# Altium PCB GrunMasterBox.PcbDoc (part 3 of 3)
Units mil, origin at the board's own origin, x right, y up, seen from the top; angles counter-clockwise.
Board outline 5866.14 x 2850.39 mil, 4 copper layers (Component Side, Ground Plane, Power Plane, Solder Side), stack 67.604 mil thick; 165 components, 119 nets, 595 pads, 2267 vias.
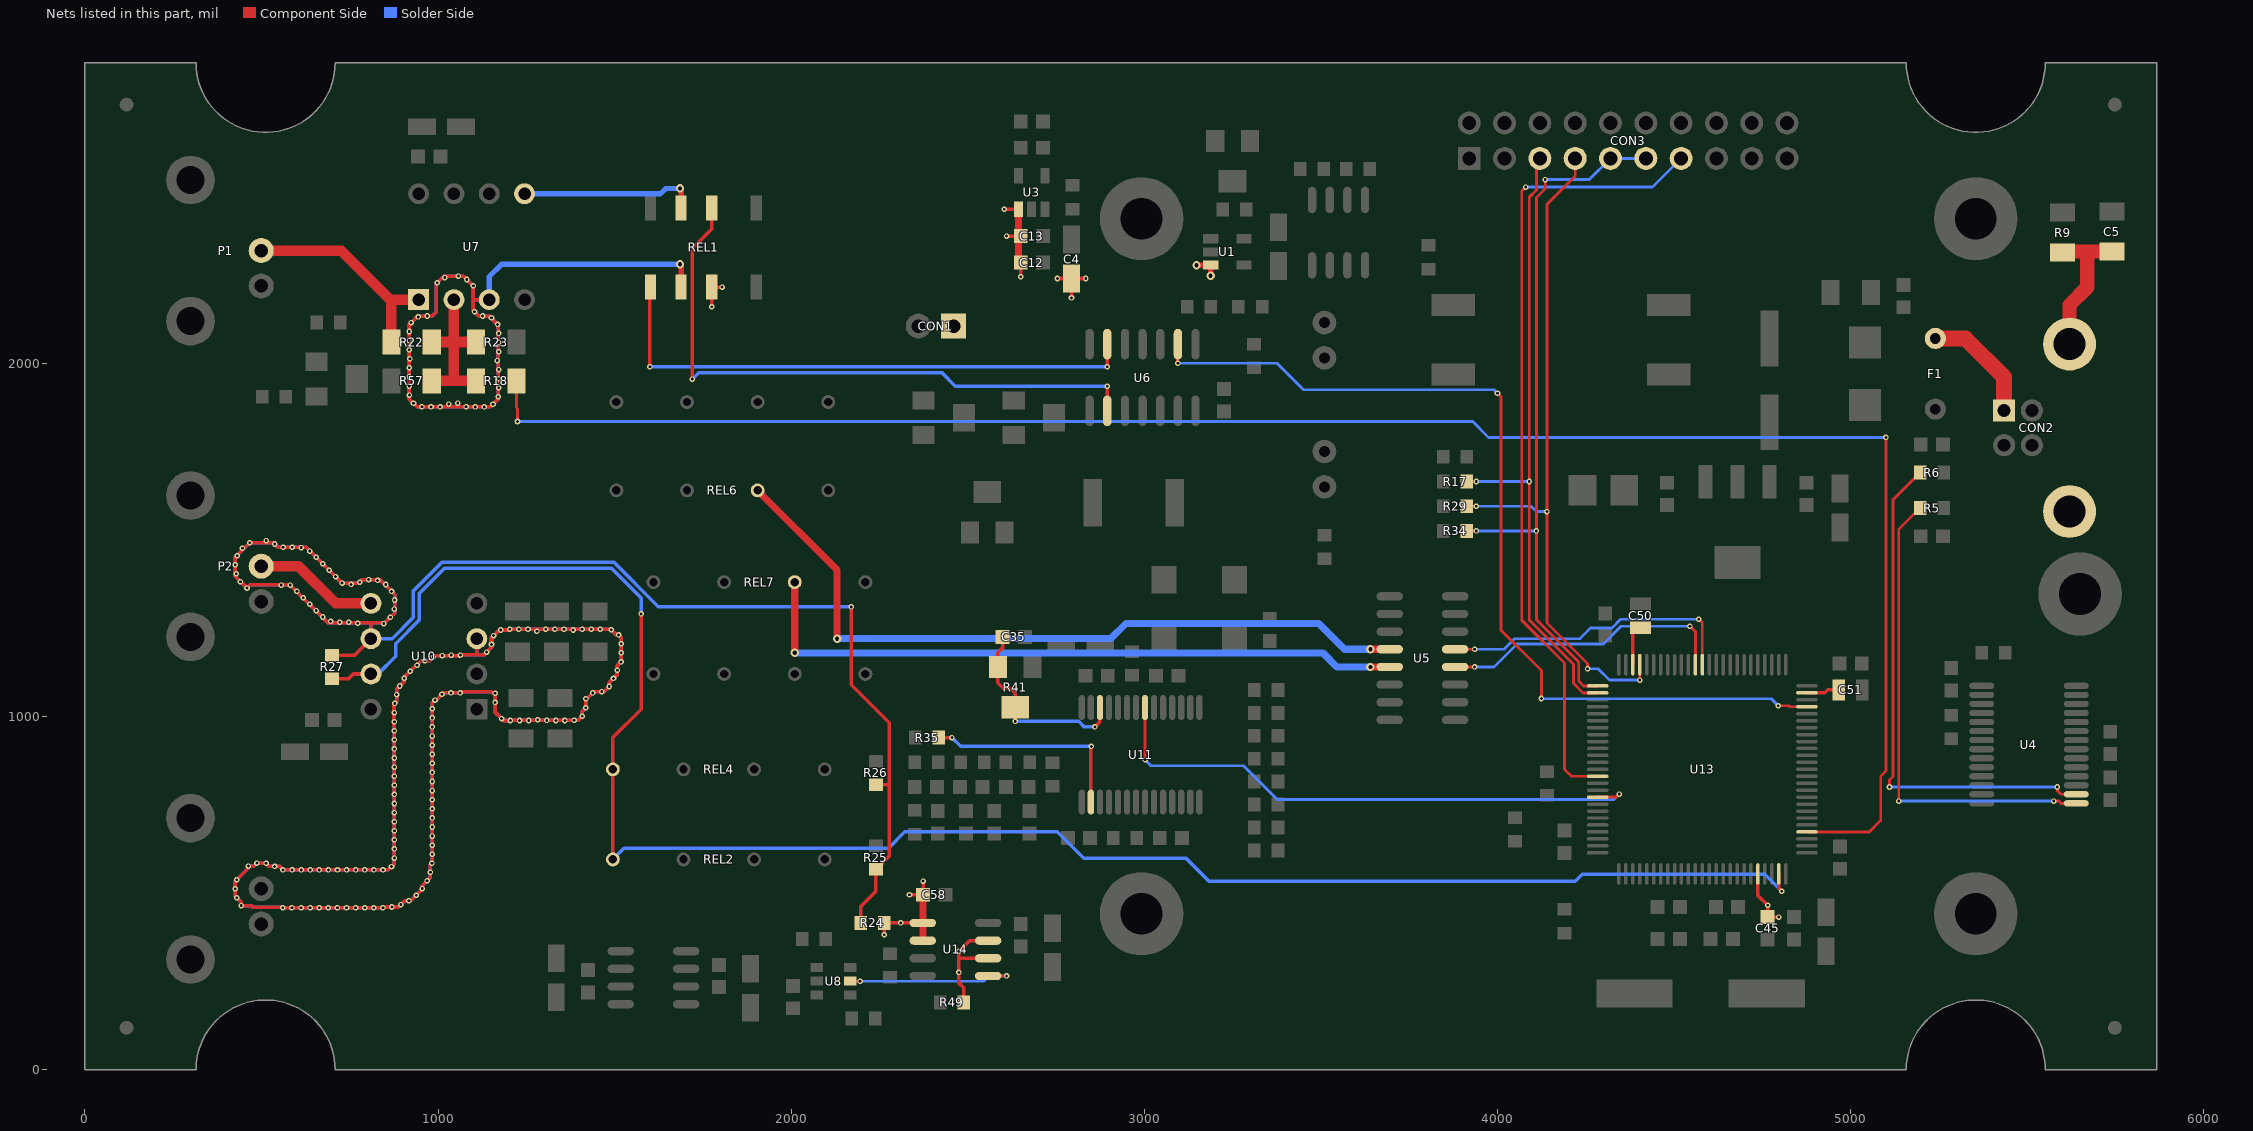
[diagram p5: the nets of this part, all layers, seen from the top]

## Via types
v1: diameter 15.75, hole 7.87, Component Side to Solder Side, 1956 vias
v2: diameter 15.75, hole 7.87, Component Side to Solder Side, tented both sides, 266 vias
v3: diameter 23.62, hole 11.81, Component Side to Solder Side, tented both sides, 45 vias

## Nets (pads, with @x,y where several pads share a name; then routed paths per layer and width w, separated by ;. In a path a pad name is that pad's centre, name@x,y a point inside that pad or via, vN(x,y) a via of type N, cw(c..) or ccw(c..) an arc to the next point about the centre after c; other vN are vias at no path point) (continued)
NetREL1_2: REL1.2 U6.9 | length 1776
  Component Side w10: v2(1720,1955) 1720,2325 1775,2380 REL1.2@1775,2440 ; U6.9@2895,1865 v2(2895,1935)
  Solder Side w10: v2(1720,1955) 1738,1973 2427,1973 2465,1935 v2(2895,1935)
NetREL1_3: REL1.3 U7.5 | length 502.6
  Component Side w15: v3(1685,2495) 1688.39,2491.61 REL1.3@1688.39,2440
  Solder Side w15: U7.5@1245,2480 1630,2480 1645,2495 v3(1685,2495)
NetREL1_5: REL1.5 U6.6 | length 1585.3
  Component Side w10: v2(1600,1990) 1600,2213.82 REL1.5@1601.77,2215.59 ; v2(2895,1990) U6.6@2895,2053.98
  Solder Side w10: v2(1600,1990) v2(2895,1990)
NetU8_5: U8.5 U14.5 | length 501.4
  Component Side w8: U8.5@2167.24,250 v2(2195,250) ; U14.5@2557.52,265 v2(2610,265)
  Solder Side w8: v2(2195,250) 2545,250 2560,265 v2(2610,265)
OCP: R18.1 U13.29 | length 5323.1
  Component Side w8: R18.1@1222.09,1950 1222.09,1872.91 1225,1870 v2(1225,1835) ; U13.29@4876.26,672.83 5052.83,672.83 5085,705 5085,830 5100,845 v2(5100,1790)
  Solder Side w8: v2(1225,1835) 3930,1835 3975,1790 v2(5100,1790)
RE: P2.1 U10.5 | length 354.4
  Component Side w30: P2.1@499.21,1425.2 604.8,1425.2 710,1320 U10.5@810,1320
RE_RING: R24.2 R25.1 R26.1 R27.1 U10.6 | length 5110.1
  Component Side w10: R27.1@700,1173.46 763.46,1173.46 U10.6@810,1220 810,1265 ; v1(846.2,1262.78) 847.36,1262.78 v1@849.59,1265 ; v2(2170,1310) 2170,1090 2278,982 2278,805 ; R24.2@2196.54,415 2196.54,461.54 2240,505 R25.1@2240,566.54 2278,604.54 2278,805 ; R26.1@2240,806.54 2276.46,806.54 2278,805 ; 810,1265 688.34,1265 v1(581.64,1371.7) 580.71,1372.63 468.28,1372.63 v1(459.04,1363.39) 425.6,1396.83 v1(425.6,1429.58) 425.6,1450.36 v1(466.62,1491.38) 534.17,1491.38 v1(537.4,1488.15) 546.86,1478.69 v1(561.35,1478.69) v1(587.1,1478.69) 626.96,1478.69 v1(691.77,1413.88) v1(709.98,1395.68) v1(728.18,1377.47) 776.05,1377.47 v1(778.54,1379.96) 786,1387.42 v1(803.19,1387.42) 835,1387.42 v1(868.59,1353.83) 877.06,1345.36 v1(877.06,1329.51) 877.06,1292.47 v1(864.98,1280.39) v1@849.59,1265 ; 810,1265 v1@849.59,1265
  Solder Side w10: v1@534.17,1491.38 v1(466.62,1491.38) 425.6,1450.36 v1(425.6,1429.58) 425.6,1396.83 v1(459.04,1363.39) 468.28,1372.63 v1@580.71,1372.63 ; v1(537.4,1488.15) 546.86,1478.69 v1(561.35,1478.69) v1(587.1,1478.69) 626.96,1478.69 v1(691.77,1413.88) v1(709.98,1395.68) v1(728.18,1377.47) v1@776.05,1377.47 ; v1(581.64,1371.7) 688.34,1265 810,1265 ; v1(778.54,1379.96) 786,1387.42 v1(803.19,1387.42) 835,1387.42 v1(868.59,1353.83) 877.06,1345.36 v1(877.06,1329.51) 877.06,1292.47 v1(864.98,1280.39) 849.59,1265 810,1265 ; v2(2170,1310) 1624.04,1310 1497.04,1437 1012,1437 930,1355 930,1280 870,1220 U10.6@810,1220 810,1265
  other v1: 772.71,1263.4 721.4,1266.51 747.15,1266.51 695.75,1268.72 673.28,1281.29 654.96,1299.38 875.7,1303.8 636.76,1317.59 618.55,1335.8 600.34,1354 555.89,1371.7 753.62,1373.49 851.77,1373.32 440.29,1381.03 828.82,1385 428.68,1404.02 673.56,1432.09 655.36,1450.3 431.69,1454.6 636.6,1467.94 445.95,1476.04 612.83,1477.84 513.45,1497.59
RE_SW_4K7: U5.4 U13.64 | length 827.7
  Component Side w8: U5.4@3880,1140 v2(3935,1140) ; v2(4545,1255) 4560.31,1239.69 U13.64@4560.31,1146.26
  Solder Side w8: v2(3935,1140) 3990,1140 4055,1205 4300,1205 4350,1255 v2(4545,1255)
RE_SW_4K7': REL7.2 U5.13 | length 1901.5
  Component Side w20: v3(2010,1180) REL7.2@2010,1380 ; v3(3640,1140) U5.13@3694.96,1140
  Solder Side w20: v3(2010,1180) 3505,1180 3545,1140 v3(3640,1140)
RE_SW_100: U5.5 U13.63 | length 858.1
  Component Side w8: U5.5@3880,1190 v2(3935,1190) ; v2(4570,1275) 4580,1265 U13.63@4580,1146.26
  Solder Side w8: v2(3935,1190) 4018.79,1190 4048.79,1220 4233.31,1220 4263.31,1250 4323.79,1250 4348.79,1275 v2(4570,1275)
RE_SW_100': REL6.2 U5.12 | length 2126.2
  Component Side w20: REL6.2@1905,1640 2130,1415 v3(2130,1220) ; v3(3640,1190) U5.12@3694.96,1190
  Solder Side w20: v3(2130,1220) 2905,1220 2948,1263 3493.82,1263 3566.82,1190 v3(3640,1190)
RSET: C35.2 R41.1 R41.2 U11.12 | length 570.1
  Component Side w10: C35.2@2598.5,1225 2598.5,1193.5 2585,1180 R41.1@2585,1140 2585,1095 2600,1080 2620,1080 2634.21,1065.79 R41.2@2634.21,1025.83 v2(2634.21,985.79) ; v2(2860,970) 2874.09,984.09 U11.12@2874.09,1025
  Solder Side w10: v2(2634.21,985.79) 2814.21,985.79 2830,970 v2(2860,970)
SCK: U6.2 U13.47 | length 2671.7
  Component Side w8: v2(4000,1915) 4010,1905 4010,1243.79 4124.39,1129.39 v2(4124.39,1050.61) ; v2(4795,1030) 4825,1030 4827.83,1027.17 U13.47@4876.26,1027.17
  Component Side w10: v2(3095,2000) U6.2@3095,2053.98
  Solder Side w8: v2(3095,2000) 3375.72,2000 3450.72,1925 3990,1925 v2(4000,1915) ; v2(4124.39,1050.61) 4125,1050 4775,1050 v2(4795,1030)
SH: C5.1 CON2.5 CON2.6 R9.2 | length 423.7
  Component Side w40: R9.2@5600,2312.91 5602.91,2315.83 5670,2315.83 ; CON2.5@5620,2054.02 5620,2165 5670,2215 5670,2315.83 ; C5.1@5740,2315.83 5670,2315.83
SUM: R18.2 R22.1 R23.2 R57.1 U7.2 | length 481.7
  Component Side w30: R57.1@982.09,1950 1045,1950 ; R22.1@982.09,2060 1045,2060 ; U7.2@1045,2180 1045,2060 ; R18.2@1107.91,1950 1045,1950 ; R23.2@1107.91,2060 1045,2060 ; 1045,1950 1045,2060
SUM_RING: REL1.6 U7.3 | length 3043.9
  Component Side w10: v1(969.38,2133.63) 942.42,2133.63 v1(923.74,2114.96) 918.93,2110.15 v1(918.93,1909.73) 918.93,1898.35 v1(930.54,1886.74) 940.62,1876.66 v1(954.24,1876.66) 1148.47,1876.66 v1(1155.56,1883.75) 1170.42,1898.61 v1(1170.42,1904.78) 1170.42,2107.93 v1(1168.55,2109.8) 1144.72,2133.63 v1(1126.07,2133.63) 1115.56,2133.63 v1(1103.38,2145.81) 1100.24,2148.96 1100.24,2180 ; v1@970,2135 985,2135 995,2145 995,2225.68 v1(997.45,2228.13) 1015.96,2246.64 v1(1057.69,2246.64) 1071.94,2246.64 v1(1081.57,2237.01) 1100.24,2218.34 1100.24,2180 ; U7.3@1145,2180 1100.24,2180
  Component Side w15: v3(1685,2280) 1688.39,2276.61 REL1.6@1688.39,2215.59
  Solder Side w10: v1(969.38,2133.63) 942.42,2133.63 v1(923.74,2114.96) 918.93,2110.15 v1(918.93,1909.73) 918.93,1898.35 v1(930.54,1886.74) 940.62,1876.66 v1(954.24,1876.66) 1148.47,1876.66 v1(1155.56,1883.75) v1@1170.42,1898.61 ; v1@970,2135 985,2135 995,2145 v1@995,2225.68 ; v1(997.45,2228.13) 1015.96,2246.64 v1(1057.69,2246.64) 1071.94,2246.64 v1(1081.57,2237.01) 1100.24,2218.34 1100.24,2180 ; v1@1100.24,2148.96 1100.24,2180 ; v1(1103.38,2145.81) 1115.56,2133.63 v1(1126.07,2133.63) 1144.72,2133.63 v1(1168.55,2109.8) ; U7.3@1145,2180 1100.24,2180 ; v1(1170.42,1904.78) v1@1170.42,2107.93
  Solder Side w15: U7.3@1145,2180 1145,2245 1180,2280 v3(1685,2280)
  other v1: 979.98,1876.37 1005.73,1876.37 1079.4,1876.75 1105.14,1876.37 1130.89,1876.37 1030.27,1884.16 1055.84,1887.15 1171.7,1930.5 918.3,1935.47 1171.7,1956.24 918.3,1961.21 1171.7,1981.99 918.5,1986.96 1167.38,2007.37 920.44,2012.63 1171.7,2032.76 918.3,2038.29 1171.7,2058.5 918.3,2064.04 1171.7,2084.25 918.3,2089.79 1151.4,2129.01 943.75,2131.15 1100.24,2219.27 1018.84,2242.47
TCK: CON3.9 CON3.11 R34.1 U13.76 | length 2045.9
  Component Side w8: R34.1@3913.46,1525 v2(3940,1525) ; v2(4135,2520) 4135,2493.79 4110,2468.79 v2(4110,1525) 4110,1273.64 4230,1153.64 4230,1100 4243.78,1086.22 U13.76@4283.74,1086.22
  Solder Side w8: v2(3940,1525) v2(4110,1525) ; v2(4135,2520) 4260,2520 CON3.9@4320,2580 CON3.11@4420,2580
TDI: CON3.5 R17.1 U13.77 | length 1807
  Component Side w8: R17.1@3913.46,1665 v2(3940,1665) ; CON3.5@4120,2580 4110,2570 4110,2490 4090,2470 v2(4090,1665) 4090,1272.43 4215,1147.43 4215,1093.79 4242.25,1066.54 U13.77@4283.74,1066.54
  Solder Side w8: v2(3940,1665) v2(4090,1665)
TDO: CON3.13 U13.89 | length 2279.1
  Component Side w8: v2(4080,2498.79) 4068.87,2487.66 4068.87,1272.34 4190,1151.21 4190,850 4209.68,830.31 U13.89@4283.74,830.31
  Solder Side w8: v2(4080,2498.79) 4438.79,2498.79 CON3.13@4520,2580
TMS: CON3.7 R29.1 U13.72 | length 1963.1
  Component Side w8: R29.1@3913.46,1595 v2(3940,1595) ; CON3.7@4220,2580 4220,2530 4140,2450 v2(4140,1580) 4140,1264.85 4255,1149.85 v2(4255,1135) ; v2(4402.83,1102.83) U13.72@4402.83,1146.26
  Solder Side w8: v2(3940,1595) 4095,1595 4110,1580 v2(4140,1580) ; v2(4255,1135) 4285,1135 4317.17,1102.83 v2(4402.83,1102.83)
UOUT: R27.2 REL2.1 REL4.1 U10.7 U13.24 | length 5358.9
  Component Side w10: R27.2@700,1106.54 746.54,1106.54 760,1120 U10.7@810,1120 ; REL2.1@1495,595 REL4.1@1495,850 1495,940 1575,1020 v2(1575,1290) ; U13.24@4796.54,553.74 4796.54,513.46 v2(4805,505)
  Solder Side w10: U10.7@810,1120 830,1120 880,1170 880,1205.96 947,1272.96 947,1347.96 1019.04,1420 1490,1420 1575,1335 v2(1575,1290) ; REL2.1@1495,595 1526.69,626.69 2275.73,626.69 2322.04,673 2752.96,673 2827.96,598 3117.96,598 3182.96,533 4220,533 4240,553 4757,553 v2(4805,505)
USBD_N: R6.1 U4.16 | length 1469.2
  Component Side w8: v2(5110,800) 5110,820 5120,830 5120,1613.46 R6.1@5196.54,1690 ; v2(5585,800) 5585,790 5595.75,779.25 U4.16@5638.86,779.25
  Solder Side w8: v2(5110,800) v2(5585,800)
USBD_P: R5.1 U4.15 | length 1364.6
  Component Side w8: v2@5136,756 v2(5136,760) 5136,1529.46 R5.1@5196.54,1590 ; v2(5575,760) 5590,760 5596.34,753.66 U4.15@5638.86,753.66
  Solder Side w8: v2(5136,760) v2(5575,760)
VADC: C45.2 R49.1 U13.21 U14.6 U14.7 | length 493.2
  Component Side w10: R49.1@2488.46,190 2488.46,231.54 2475,245 v2(2475,275) 2475,315 ; U14.6@2557.52,315 2475,315 ; U14.7@2557.52,365 2505,365 v2(2475,335) 2475,315 ; U13.21@4737.48,553.74 4737.48,492.52 v2(4765,465) C45.2@4765,431.5 v2(4796.5,431.5)
VBAT: C4.1 C12.2 C13.2 CON1.1 U1.3 U3.1 | length 479.2
  Component Side w10: v2(2603.54,2436.18) U3.1@2643.54,2436.18 ; v2(2610,2360) C13.2@2650,2360 ; v2(2650,2245) C12.2@2650,2285 ; v2(2753.78,2239.88) C4.1@2793.78,2239.88 ; v2(2793.78,2184.88) C4.1@2793.78,2239.88 ; v2(2833.78,2239.88) C4.1@2793.78,2239.88
  Component Side w15: v3(3147.6,2277.6) U1.3@3187.76,2277.6 v3(3187.76,2247.44)
  Component Side w20: U3.1@2643.54,2436.18 2643.54,2291.46 C12.2@2650,2285
VBIAS: C58.1 R24.1 REL1.7 U10.3 U14.1 U14.2 | length 7772.2
  Component Side w10: U10.3@1110,1220 1110,1175 ; v2(1775,2160) REL1.7@1775,2215.59 v2(1804.41,2215.59) ; v2(2263.46,381.54) R24.1@2263.46,415 v2(2310,415) U14.1@2372.48,415 ; v2(2335,495) C58.1@2373.5,495 v2(2373.5,533.5) ; 1110,1175 1064.9,1175 v1(1063.4,1173.49) 1062.15,1172.25 v1(1011.93,1172.25) 991.79,1172.25 v1(986.69,1167.16) 977.42,1157.88 v1(962.67,1157.88) 951.05,1157.88 v1(921.04,1127.87) 904.44,1111.27 v1(904.44,1108.18) 904.44,1098.89 v1(891.49,1085.93) 882.48,1076.93 v1(882.48,1061.81) 882.48,1041.38 v1(877.63,1036.53) 875,1033.9 875,975 876.51,973.49 v1(876.51,959.31) v1(876.51,933.56) v1(876.51,907.81) v1(876.51,882.06) v1(876.51,856.31) v1(876.51,830.57) v1(876.51,804.82) v1(876.51,779.07) v1(876.51,753.32) v1(876.51,727.57) v1(876.51,701.83) v1(876.51,676.08) v1(876.51,650.33) v1(876.51,624.58) v1(876.51,598.83) 876.51,582.87 v1(868.12,574.49) 858.94,565.31 v1(844.07,565.31) v1(818.32,565.31) v1(792.57,565.31) v1(766.83,565.31) v1(741.08,565.31) v1(715.33,565.31) v1(689.58,565.31) v1(663.83,565.31) v1(638.09,565.31) v1(612.34,565.31) v1(586.59,565.31) v1(560.84,565.31) 551.15,575 v1(536.99,575) 522.23,575 v1(512.97,584.27) 487.45,584.27 v1(487.22,584.5) 478.6,575.88 v1(462.96,575.88) 462.96,570.2 v1(430.08,537.32) 425.6,532.84 v1(425.6,511.96) 425.6,490.95 v1(429.96,486.58) 442.86,473.69 v1(442.86,464.3) 470.7,464.3 475,460 558.84,460 v1(560.53,458.32) v1(586.27,458.32) v1(612.02,458.32) v1(637.77,458.32) v1(663.52,458.32) v1(689.27,458.32) v1(715.01,458.32) v1(740.76,458.32) v1(766.51,458.32) v1(792.26,458.32) v1(818.01,458.32) v1(843.75,458.32) 845.62,460.18 v1(869.43,460.18) 887.6,460.18 v1(894.3,466.88) 905.53,478.11 v1(917.46,478.11) 922.74,478.11 v1(938.11,493.49) 955.52,510.89 v1(955.52,512.47) 955.52,520.83 v1(969.05,534.37) 978.24,543.56 v1(978.24,558.42) 978.24,579.26 v1(982.75,583.77) 983.49,584.51 v1(983.49,609.51) v1(983.49,635.26) v1(983.49,661.01) v1(983.49,686.75) v1(983.49,712.5) v1(983.49,738.25) v1(983.49,764) v1(983.49,789.75) v1(983.49,815.49) v1(983.49,841.24) v1(983.49,866.99) v1(983.49,892.74) v1(983.49,918.49) 983.62,918.61 v1(983.62,1021.48) 983.62,1038.18 v1(991.45,1046.01) 994.78,1046.01 v1(1011.24,1062.47) 1015.28,1066.51 v1(1036.67,1066.51) v1(1062.42,1066.51) 1065.92,1070 1150,1070 1154.71,1065.29 v1(1161.37,1065.29) v1(1161.37,1039.55) 1161.37,1012.38 v1(1179.91,993.84) 1185.46,988.3 v1(1205.06,988.3) 1205.67,988.91 v1(1385.13,988.91) 1396.66,988.91 v1(1408.16,1000.42) 1408.16,1013.93 v1(1418.32,1024.08) 1418.63,1024.4 v1(1418.63,1049.83) 1421.58,1049.83 v1(1438.25,1066.51) 1441.75,1070.01 v1(1463.76,1070.01) 1470.34,1070.01 v1(1484.96,1084.63) 1484.96,1095.71 v1(1496.76,1107.51) 1507.8,1118.55 v1(1507.8,1130.77) 1507.8,1143.87 v1(1518.24,1154.31) 1518.63,1154.71 v1(1518.63,1180.05) v1(1518.63,1205.8) 1518.63,1223.16 v1(1511.31,1230.48) 1505.24,1230.48 v1(1490.32,1245.4) 1489.02,1246.7 v1(1459.42,1246.7) v1(1433.67,1246.7) v1(1356.59,1246.7) v1(1330.84,1246.7) v1(1305.09,1246.7) v1(1254.74,1246.7) v1(1229,1246.7) v1(1203.25,1246.7) 1201.08,1244.54 v1(1177.59,1244.54) 1173.17,1244.54 v1(1157.31,1228.68) 1151.37,1222.74 v1(1151.37,1203.62) 1151.37,1195.71 v1(1137.55,1181.9) 1130.65,1175 1110,1175
  Component Side w20: U14.2@2372.48,365 2373.5,366.02 C58.1@2373.5,495
  Solder Side w10: v1@425.6,532.84 v1(425.6,511.96) 425.6,490.95 v1(429.96,486.58) 442.86,473.69 v1(442.86,464.3) 470.7,464.3 475,460 v1@558.84,460 ; v1(430.08,537.32) 462.96,570.2 v1(462.96,575.88) 478.6,575.88 v1(487.22,584.5) ; v1@487.45,584.27 v1(512.97,584.27) 522.23,575 v1(536.99,575) 551.15,575 v1(560.84,565.31) v1(586.59,565.31) v1(612.34,565.31) v1(638.09,565.31) v1(663.83,565.31) v1(689.58,565.31) v1(715.33,565.31) v1(741.08,565.31) v1(766.83,565.31) v1(792.57,565.31) v1(818.32,565.31) v1(844.07,565.31) 858.94,565.31 v1(868.12,574.49) 876.51,582.87 v1(876.51,598.83) v1(876.51,624.58) v1(876.51,650.33) v1(876.51,676.08) v1(876.51,701.83) v1(876.51,727.57) v1(876.51,753.32) v1(876.51,779.07) v1(876.51,804.82) v1(876.51,830.57) v1(876.51,856.31) v1(876.51,882.06) v1(876.51,907.81) v1(876.51,933.56) v1(876.51,959.31) 876.51,973.49 ; v1(560.53,458.32) v1(586.27,458.32) v1(612.02,458.32) v1(637.77,458.32) v1(663.52,458.32) v1(689.27,458.32) v1(715.01,458.32) v1(740.76,458.32) v1(766.51,458.32) v1(792.26,458.32) v1(818.01,458.32) v1(843.75,458.32) ; v1@845.62,460.18 v1(869.43,460.18) 887.6,460.18 v1(894.3,466.88) 905.53,478.11 v1(917.46,478.11) ; 875,975 v1@875,1033.9 ; v1(877.63,1036.53) 882.48,1041.38 v1(882.48,1061.81) 882.48,1076.93 v1(891.49,1085.93) 904.44,1098.89 v1(904.44,1108.18) 904.44,1111.27 v1(921.04,1127.87) 951.05,1157.88 v1(962.67,1157.88) 977.42,1157.88 v1(986.69,1167.16) 991.79,1172.25 v1(1011.93,1172.25) v1@1062.15,1172.25 ; v1@922.74,478.11 v1(938.11,493.49) v1@955.52,510.89 ; v1(955.52,512.47) 955.52,520.83 v1(969.05,534.37) 978.24,543.56 v1(978.24,558.42) v1@978.24,579.26 ; v1@983.49,584.51 v1(983.49,609.51) v1(983.49,635.26) v1(983.49,661.01) v1(983.49,686.75) v1(983.49,712.5) v1(983.49,738.25) v1(983.49,764) v1(983.49,789.75) v1(983.49,815.49) v1(983.49,841.24) v1(983.49,866.99) v1(983.49,892.74) v1(983.49,918.49) ; v1@983.62,918.61 v1(983.62,1021.48) 983.62,1038.18 v1(991.45,1046.01) ; v1@994.78,1046.01 v1(1011.24,1062.47) ; v1@1015.28,1066.51 v1(1036.67,1066.51) v1(1062.42,1066.51) 1065.92,1070 1150,1070 1154.71,1065.29 v1(1161.37,1065.29) v1(1161.37,1039.55) 1161.37,1012.38 v1(1179.91,993.84) ; v1@1064.9,1175 1110,1175 ; U10.3@1110,1220 1110,1175 ; 1151.37,1195.71 v1(1137.55,1181.9) 1130.65,1175 1110,1175 ; v1(1151.37,1203.62) 1151.37,1222.74 ; v1(1157.31,1228.68) v1@1173.17,1244.54 ; v1(1177.59,1244.54) v1@1201.08,1244.54 ; v1@1185.46,988.3 v1(1205.06,988.3) ; v1(1203.25,1246.7) v1(1229,1246.7) v1(1254.74,1246.7) v1(1305.09,1246.7) v1(1330.84,1246.7) v1(1356.59,1246.7) v1(1433.67,1246.7) v1(1459.42,1246.7) v1@1489.02,1246.7 ; v1@1205.67,988.91 v1(1385.13,988.91) 1396.66,988.91 v1(1408.16,1000.42) 1408.16,1013.93 v1(1418.32,1024.08) ; v1@1418.63,1024.4 v1(1418.63,1049.83) ; v1@1421.58,1049.83 v1(1438.25,1066.51) ; v1@1441.75,1070.01 v1(1463.76,1070.01) ; v1@1470.34,1070.01 v1(1484.96,1084.63) 1484.96,1095.71 v1(1496.76,1107.51) 1507.8,1118.55 v1(1507.8,1130.77) 1507.8,1143.87 v1(1518.24,1154.31) ; v1(1490.32,1245.4) v1@1505.24,1230.48 ; v1(1511.31,1230.48) 1518.63,1223.16 v1(1518.63,1205.8) v1(1518.63,1180.05) v1@1518.63,1154.71
  other v1: 983.49,944.23 983.49,969.98 876.51,985.05 1230.8,988.3 1256.55,988.3 1307.89,988.52 1333.64,988.3 1359.39,988.3 1282.21,990.38 983.49,995.73 876.51,1010.8 940.62,1144.59 1037.65,1173.49 1279.92,1241.29 1382.25,1244.6 1407.93,1246.49
VCAP1: C51.2 U13.49 | length 93.8
  Component Side w10: U13.49@4876.26,1066.54 4926.54,1066.54 4935,1075 C51.2@4966.54,1075
VCAP2: C50.2 U13.73 | length 106
  Component Side w10: U13.73@4383.15,1146.26 4383.15,1249.68 C50.2@4385,1251.54
VINP: R35.1 U11.16 | length 600.2
  Component Side w10: R35.1@2418.46,940 v2(2455,940) ; U11.16@2848.5,757.28 2848.5,913.5 v2(2850,915)
  Solder Side w10: v2(2455,940) 2480,915 v2(2850,915)
VUSB: CON2.1 F1.1 | length 334.2
  Component Side w45: F1.1@5240,2070 5325,2070 5434.57,1960.43 CON2.1@5434.57,1866.22
WCLK: U11.7 U13.92 | length 1608.4
  Component Side w8: v2(3002.05,877.05) U11.7@3002.05,1025 ; U13.92@4283.74,771.26 4336.26,771.26 v2(4345,780)
  Solder Side w8: v2(3002.05,877.05) 3019.09,860 3281.21,860 3376.21,765 4330,765 v2(4345,780)
WE: P1.1 R22.2 U7.1 | length 624.5
  Component Side w30: P1.1@499.21,2318.9 726.1,2318.9 865,2180 ; R22.2@867.91,2060 867.91,2177.09 865,2180 ; U7.1@945,2180 865,2180
pads on no net: CON3.1 CON3.2 CON3.17 CON3.19 FID1.0 FID2.0 FID3.0 FID4.0 Hole1.1 Hole2.1 Hole3.1 Hole4.1 Hole5.1 P1. P2. P3. U4.2 U4.3 U4.6 U4.8 U4.9 U4.10 U4.11 U4.12 U4.13 U4.14 U4.22 U4.23 U4.24 U4.27 U4.28 U6.11 U6.12 U11.13 U11.14 U11.15 U11.17 U13.2 U13.3 U13.4 U13.5 U13.7 U13.8 U13.9 U13.15 U13.16 U13.23 U13.26 U13.31 U13.32 U13.33 U13.34 U13.35 U13.36 U13.38 U13.39 U13.40 U13.41 U13.42 U13.43 U13.44 U13.45 U13.46 U13.48 U13.52 U13.53 U13.54 U13.55 U13.56 U13.57 U13.58 U13.59 U13.60 U13.68 U13.70 U13.71 U13.80 U13.91 U13.96 U13.97 U13.98 U15.1 U15.5 U15.7 U15.8

## Polygon pours and split planes (outlines as drawn)
GND on Component Side "GNDD" (solid, remove dead copper, pour order 46): 2980,2850 2980,110 5866.14,110 5865.75,2850
GNDA on Component Side "GNDA_TOP_8" (solid, remove dead copper, pour order 42): 300,1125 300,295 1175,295 1175,775 1825,775 1820,780 1820,1125
GNDA on Component Side "GNDA_TOP_6" (solid, remove dead copper, pour order 32): 2950,555 1250,555 1250,110 2950,110
GNDA on Component Side "GNDA_TOP_7" (solid, remove dead copper, pour order 36): 300,1750 1145,1750 1730,1750 1730,1300 1200,1300 1150,1250 1100,1200 1010,1200 305,1200 300,1195
GNDA on Component Side "GNDA_TOP_5" (solid, remove dead copper, pour order 28): 2960,575 2960,1400 2310,1400 2310,575
GNDA on Component Side "GNDA_TOP_4" (solid, remove dead copper, pour order 24): 2930,1740 2930,1425 2700,1425 2700,1740
GNDA on Component Side "GNDA_TOP_3" (solid, remove dead copper, pour order 12): 2940,2115 2775,2115 2635,1975 2540,1975 2540,1750 2545,1755 2940,1755
GNDA on Component Side "GNDA_TOP_2" (solid, remove dead copper, pour order 8): 2225,2025 2575,2025 2695,2145 2940,2145 2940,2745 2790,2745 2225,2745
GNDA on Component Side "GNDA_TOP_1" (solid, remove dead copper, pour order 4): 950,2740 825,2740 825,2525 300,2525 300,1815 700,1815 1350,1815 1350,2740
GNDA on Component Side "GNDA_ROUND_TOP" (solid, remove dead copper, pour order 0): 2721.26,2771.65 2970,2770.84 2970,2850.39 0,2850.39 0,0 4975,0 4975,380 4955,400 4720,400 4700,380 4700,105 4674.26,79.26 2721,79 775.89,78.74 775.89,119.15 737.36,157.67 737,158.04 737,181 707,211 684,234 675,234 670,234 649,255 645,259 636,259 625,259 614,270 610,274 596,274 587,274 580,281 576,285 560,285 451,285 447,281 443,277 429,277 422,277 413,268 411,266 397,266 393,266 379,252 376.91,249.91 353.82,249.91 353.82,240.82 347,234 336,223 331,223 326,223 295,192 286,183 286,173 286,171 266,151 258,143 258,130 258,123.03 252.31,92.79 247.73,78.74 231,78 79.74,78 78.74,79 78.74,2771.65 225.35,2771.65 240,2757 251,2746 251,2733 251,2721 258,2714 271,2701 271,2696 271,2690 281,2680 294,2667 294,2666 315,2645 338,2622 340,2622 353,2622 376,2599 389,2586 406,2586 420,2586 430,2576 436,2570 460,2570 475,2570 479,2566 483,2570 567,2570 591,2570 601,2580 607,2586 625,2586 641,2586 663,2608 688,2633 698,2633 699,2633 751,2685 756,2690 756,2705 756,2712 770,2726 777,2733 777,2751 777,2758 791,2772
GND on Solder Side "GNDD" (solid, remove dead copper, pour order 48): 2980,2850 2980,110 5866.14,110 5865.75,2850
GNDA on Solder Side "GNDA_BOT_8" (solid, remove dead copper, pour order 44): 300,1125 300,295 1175,295 1175,775 1825,775 1820,780 1820,1125
GNDA on Solder Side "GNDA_BOT_7" (solid, remove dead copper, pour order 40): 300,1750 1145,1750 1730,1750 1730,1300 1200,1300 1150,1250 1100,1200 1010,1200 305,1200 300,1195
GNDA on Solder Side "GNDA_BOT_2" (solid, remove dead copper, pour order 10): 2225,2025 2575,2025 2695,2145 2940,2145 2940,2745 2790,2745 2225,2745
GNDA on Solder Side "GNDA_BOT_3" (solid, remove dead copper, pour order 14): 2940,2115 2775,2115 2635,1975 2540,1975 2540,1750 2545,1755 2940,1755
GNDA on Solder Side "GNDA_BOT_4" (solid, remove dead copper, pour order 26): 2930,1740 2930,1425 2700,1425 2700,1740
GNDA on Solder Side "GNDA_BOT_5" (solid, remove dead copper, pour order 30): 2960,575 2960,1400 2310,1400 2310,575
GNDA on Solder Side "GNDA_BOT_6" (solid, remove dead copper, pour order 34): 2950,555 1250,555 1250,110 2950,110
GNDA on Solder Side "GNDA_BOT_1" (solid, remove dead copper, pour order 6): 950,2740 825,2740 825,2525 300,2525 300,1815 700,1815 1350,1815 1350,2740
GNDA on Solder Side "GNDA_ROUND_BOT" (solid, remove dead copper, pour order 2): 2721.26,2771.65 2970,2770.84 2970,2850.39 0,2850.39 0,0 4975,0 4975,380 4955,400 4720,400 4700,380 4700,105 4674.26,79.26 2721,79 775.89,78.74 775.89,119.15 737.36,157.67 737,158.04 737,181 707,211 684,234 675,234 670,234 649,255 645,259 636,259 625,259 614,270 610,274 596,274 587,274 580,281 576,285 560,285 451,285 447,281 443,277 429,277 422,277 413,268 411,266 397,266 393,266 379,252 376.91,249.91 353.82,249.91 353.82,240.82 347,234 336,223 331,223 326,223 295,192 286,183 286,173 286,171 266,151 258,143 258,130 258,123.03 252.31,92.79 247.73,78.74 231,78 79.74,78 78.74,79 78.74,2771.65 225.35,2771.65 240,2757 251,2746 251,2733 251,2721 258,2714 271,2701 271,2696 271,2690 281,2680 294,2667 294,2666 315,2645 338,2622 340,2622 353,2622 376,2599 389,2586 406,2586 420,2586 430,2576 436,2570 460,2570 475,2570 479,2566 483,2570 567,2570 591,2570 601,2580 607,2586 625,2586 641,2586 663,2608 688,2633 698,2633 699,2633 751,2685 756,2690 756,2705 756,2712 770,2726 777,2733 777,2751 777,2758 791,2772
3V3FTDI on Power Plane (split plane): 5509.9,1192.89 5509.9,1172.11 5497.89,1160.1 5475,1160.1 5473.05,1159.71 5471.4,1158.6 5461.4,1148.6 5460.29,1146.95 5459.9,1145 5459.9,945 5460.29,943.05 5461.4,941.4 5546.4,856.4 5548.05,855.29 5550,854.9 5722.89,854.9 5799.9,777.89 5799.9,747.11 5757.89,705.1 5722.11,705.1 5705.1,722.11 5705.1,765 5704.71,766.95 5703.6,768.6 5663.6,808.6 5661.95,809.71 5660,810.1 5537.11,810.1 5393.6,953.6 5391.95,954.71 5390,955.1 5282.11,955.1 5255.1,982.11 5255.1,1204.9 5497.89,1204.9
VBAT on Power Plane (split plane): 2674.9,2442.89 2674.9,2280 2675.29,2278.05 2676.4,2276.4 2696.4,2256.4 2698.05,2255.29 2700,2254.9 3070,2254.9 3071.95,2255.29 3073.6,2256.4 3112.11,2294.9 3162.89,2294.9 3204.9,2252.89 3204.9,2237.11 3191.4,2223.6 3132.89,2165.1 2600,2165.1 2598.05,2164.71 2596.4,2163.6 2487.89,2055.1 2427.11,2055.1 2420.1,2062.11 2420.1,2120 2420.1,2147.89 2503.6,2231.4 2503.61,2231.4 2583.6,2311.4 2584.71,2313.05 2585.1,2315 2585.1,2447.89 2597.11,2459.9 2657.89,2459.9
3V3 on Power Plane (split plane): 293 vertices, not listed, extent 2975.1,20.1 5846.04,2830.3
VADC on Power Plane (split plane): 4814.9,447.89 4814.9,400 4814.9,300 4814.9,252.11 4767.89,205.1 2797.11,205.1 2693.6,308.6 2691.95,309.71 2690,310.1 2560,310.1 2558.05,309.71 2556.4,308.6 2502.89,255.1 2457.11,255.1 2445.1,267.11 2445.1,342.89 2462.11,359.9 2692.89,359.9 2811.4,241.4 2813.05,240.29 2815,239.9 4750,239.9 4751.95,240.29 4753.6,241.4 4773.6,261.4 4774.71,263.05 4775.1,265 4775.1,300 4775.1,410 4774.71,411.95 4773.6,413.6 4740.1,447.11 4740.1,472.89 4752.11,484.9 4777.89,484.9
5V on Power Plane (split plane): 202 vertices, not listed, extent 1675.1,560.03 5814.9,2614.9
VBIAS on Power Plane (split plane): 1824.9,2227.89 1824.9,2182.11 1636.4,1993.6 1591.4,1948.6 1590.29,1946.95 1589.9,1945 1589.9,1457.11 1527.89,1395.1 1215,1395.1 1213.05,1394.71 1211.4,1393.6 1166.4,1348.6 1165.29,1346.95 1164.9,1345 1164.9,545 1165.29,543.05 1166.4,541.4 1246.4,461.4 1248.05,460.29 1250,459.9 2240,459.9 2241.95,460.29 2243.6,461.4 2303.6,521.4 2342.11,559.9 2387.89,559.9 2399.9,547.89 2399.9,507.11 2356.4,463.6 2355.29,461.95 2354.9,460 2354.9,422.11 2287.89,355.1 2222.11,355.1 2163.61,413.6 2163.6,413.6 2158.6,418.6 2156.95,419.71 2155,420.1 1187.11,420.1 1060.1,547.11 1060.1,1357.89 1147.11,1444.9 1510,1444.9 1511.95,1445.29 1513.6,1446.4 1538.6,1471.4 1539.71,1473.05 1540.1,1475 1540.1,1992.89 1782.11,2234.9 1817.89,2234.9
3V3A on Power Plane (split plane): 278 vertices, not listed, extent 20.1,20.1 4954.9,2830.3
GND on Ground Plane (split plane): 5846.04,20.1 5570.25,20.1 5569.7,26.15 5567.73,39.11 5564.98,51.92 5561.46,64.54 5557.18,76.93 5552.17,89.04 5546.43,100.82 5539.99,112.24 5532.88,123.24 5525.11,133.8 5516.72,143.86 5507.74,153.41 5498.19,162.39 5488.13,170.78 5477.57,178.55 5466.57,185.66 5455.15,192.1 5443.37,197.84 5431.26,202.85 5418.87,207.13 5406.25,210.65 5393.44,213.4 5380.48,215.37 5367.43,216.55 5354.33,216.95 5341.23,216.55 5328.18,215.37 5315.22,213.4 5302.41,210.65 5289.79,207.13 5277.4,202.85 5265.29,197.84 5253.51,192.1 5242.09,185.66 5231.09,178.55 5220.53,170.78 5210.47,162.39 5200.92,153.41 5191.94,143.86 5183.55,133.8 5175.78,123.24 5168.67,112.24 5162.23,100.82 5156.49,89.04 5151.48,76.93 5147.2,64.54 5143.69,51.92 5140.93,39.11 5138.96,26.15 5138.41,20.1 4979.01,20.1 4979.01,380 4978.71,381.54 4977.84,382.84 4957.84,402.84 4956.54,403.71 4955,404.01 4720,404.01 4718.46,403.71 4717.16,402.84 4697.16,382.84 4696.29,381.54 4695.99,380 4695.99,106.66 4672.08,82.75 2973.84,82.75 2973.84,2771.65 2973.84,2830.3 5138.41,2830.3 5138.96,2824.24 5140.93,2811.29 5143.69,2798.47 5147.2,2785.85 5151.48,2773.46 5156.49,2761.35 5162.23,2749.57 5168.67,2738.16 5175.78,2727.15 5183.55,2716.6 5191.94,2706.53 5200.92,2696.99 5210.47,2688 5220.53,2679.61 5231.09,2671.85 5242.09,2664.73 5253.51,2658.29 5265.29,2652.56 5277.4,2647.54 5289.79,2643.27 5302.41,2639.75 5315.22,2637 5328.18,2635.03 5341.23,2633.84 5354.33,2633.44 5367.43,2633.84 5380.48,2635.03 5393.44,2637 5406.25,2639.75 5418.87,2643.27 5431.26,2647.54 5443.37,2652.56 5455.15,2658.29 5466.57,2664.73 5477.57,2671.85 5488.13,2679.61 5498.19,2688 5507.74,2696.99 5516.72,2706.53 5525.11,2716.6 5532.88,2727.15 5539.99,2738.16 5546.43,2749.57 5552.17,2761.35 5557.18,2773.46 5561.46,2785.85 5564.98,2798.47 5567.73,2811.29 5569.7,2824.24 5570.25,2830.3 5846.04,2830.3
GNDA on Ground Plane (split plane): 656 vertices, not listed, extent 20.1,20.1 4970.99,2830.3

## Keep-outs
Keep-Out Layer:
  the board outline again, w7.87

## Other copper
Component Side:
  pour cut-out: 78.74,79 78.74,2771.65 98.85,2771.65 98.43,2771.23 98.43,78.74
  pour cut-out: 2968.74,2771.65 2950,2771.65 2950,80 2968.74,80
  pour cut-out: 1390,1120 1387.43,1117.43 1387.43,970.5 1419.5,970.5 1420,970 1530,1080 1530,1125
  pour cut-out: 98.43,2751.97 98.43,2771.23 98.85,2771.65 247.73,2771.65 ccw(c511.82,2850.43) 775.9,2771.62 2970,2771.66 2970,2751.97 790.14,2751.97 cw(c511.78,2850.39) 233.49,2751.79
  pour cut-out: 98.43,78.74 98.43,98.43 233.49,98.43 cw(c511.84,-0.09) 790.19,98.45 2968.74,98.42 2968.74,78.74 775.89,78.74 ccw(c511.8,-0.02) 247.73,78.82
Solder Side:
  pour cut-out: 1390,1120 1387.43,1117.43 1387.43,970.5 1419.5,970.5 1420,970 1530,1080 1530,1125
Ground Plane (plane layer: these items are gaps in the copper):
  pour cut-out: 720,2270 815,2175 880,2110 880,1875 905,1850 1175,1850 1205,1880 1205,2125 1130,2200 1130,2235 1090,2275 1000,2275 970,2245 860,2245 735,2370 470,2370 445,2345 445,2290 465,2270
  pour cut-out: 405,465 435,435 920,435 1015,530 1015,1010 1045,1040 1090,1040 1135,995 1170,960 1415,960 1450,995 1450,1015 1475,1040 1490,1040 1525,1075 1525,1100 1555,1130 1555,1235 1515,1275 1155,1275 1080,1200 960,1200 855,1095 855,1005 845,995 845,610 825,590 560,590 540,610 460,610 405,555
  pour cut-out: 380,1395 425,1350 560,1350 685,1225 880,1225 920,1265 920,1395 890,1425 745,1425 645,1525 435,1525 380,1470
  lines w7.87: 247.73,78.74 98.43,78.74 79,78.74 78.74,79 78.74,2751.54 78.74,2771.65 98.85,2771.65 247.73,2771.65 ; 247.73,78.82 cw(c511.81,0) 775.9,78.78 ; 247.73,2771.57 ccw(c511.81,2850.39) 775.9,2771.62 775.94,2771.65 2025,2771.65 2125,2771.65 ; 775.89,78.74 2701.57,78.74 2948.74,78.74 2968.74,78.74 4673.74,78.74 4700,105 4700,380 4720,400 4955,400 4975,380 4975,0 ; 2206.65,2771.65 2702,2771.65 2948.35,2771.65 2968.74,2771.65 ; 2968.74,1.26 2970,0
  lines w10: 78.74,1170 885,1170 907.5,1147.5 ; 78.74,1790 1865,1790 2100,1790 2165,1790 2165,1580 2615,1580 2675,1580 ; 1230,80 1230,590 1995,590 1995,1470 2605,1470 2675,1470 ; 1555,1175 1865,1175 1865,1530 2610,1530 2675,1530 ; 2125,2771.65 2125,2690 2125,1925 2270,1925 2270,1640 2610,1640 2675,1640 ; 2205,2771.65 2205,2490 2205,2010 2380,2010 2380,1680 2625,1680 2675,1680 ; 2875,1415 2685,1415 2210,1415 2210,580 2968.74,580 2968.74,590 ; 2875,1750 2685,1750 2515,1750 2515,2010 2625,2010 2745,2130 2968.74,2130 ; 2968.74,78.74 2968.74,2771.65 2968.74,2849.13 ; 4868.74,0 4975,0 ; 380,1395 425,1350 560,1350 685,1225 880,1225 920,1265 920,1395 890,1425 745,1425 645,1525 435,1525 380,1470 380,1395 ; 405,465 435,435 560,435 920,435 1015,530 1015,1010 1045,1040 1090,1040 1135,995 1170,960 1415,960 1450,995 1450,1015 1475,1040 1490,1040 1525,1075 1525,1100 1555,1130 1555,1235 1515,1275 1155,1275 1080,1200 960,1200 855,1095 855,1005 845,995 845,610 825,590 560,590 540,610 460,610 405,555 405,465 ; 445,2290 465,2270 720,2270 815,2175 880,2110 880,1875 905,1850 1055,1850 1175,1850 1205,1880 1205,2125 1130,2200 1130,2235 1090,2275 1000,2275 970,2245 860,2245 735,2370 470,2370 445,2345 445,2290
Power Plane (plane layer: these items are gaps in the copper):
  lines w10: 2970,0 2970,135 2985,150 4685,150 4790,150 4875,235 4875,315 4875,405 4960,490 4960,530 4940,550 4840,550 4780,490 ; 2970,245 2970,1705 ; 2970,1765 2970,2160 ; 2970,2260 2970,2850.39 ; 5060,1665 4985,1740 4985,2130 4985,2265 4960,2290 4905,2290 4880,2290 4855,2265 4855,2140 4855,1900 4830,1875 4705,1875 3645,1875 3615,1905 3615,2355 3550,2420 3535,2435 3535,2590 3535,2605 3520,2620 3495,2620 3480,2605 3480,2590 3480,2400 3505,2375 3565,2315 3565,1900 3430,1765 1745,1765 1745,1930 1930.98,2115.98 1930.98,2265.2 ccw(c1900.98,2265.2) 1870.98,2265.2 1870.98,2140.98 1670,1940 1670,1610 1775,1505 1775,1065 1830,1010 1855,985 1855,595 ccw(c1895,595) 1935,595 1935,995 1925,1005 1845,1085 1845,1520 1745,1620 1745,1705 3485,1705 3580,1705 3605,1680 3605,1380 3605,1330 3625,1310 3705,1310 3725,1330 3725,1765 3750,1790 4705,1790 4810,1790 5000,1600 5000,1305 5095,1210 5390,1210 5500,1210 5515,1195 5515,1170 5500,1155 5475,1155 5465,1145 5465,945 5550,860 5725,860 5805,780 ; 5063.6,1661.4 5063.6,1336.4 5130,1270 5520,1270 5565,1225 5565,1145 5520,1100 5520,1020 5520,980 5575,925 5805,925 5820,910 5820,795 5805,780 ; 5250,1210 5250,980 5280,950 5390,950 5535,805 5660,805 5700,765 5700,720 5720,700 5760,700 5805,745 5805,780 ; 4780,490 4820,450 4820,400 4820,300 4820,250 4770,200 2795,200 2690,305 2560,305 2505,250 2455,250 2440,265 2440,345 2460,365 2695,365 2815,245 4750,245 4770,265 4770,300 4770,410 4735,445 4735,475 4750,490 4780,490 ; 1055,545 1055,1360 1145,1450 1510,1450 1535,1475 1535,1995 1780,2240 1820,2240 1830,2230 1830,2180 1640,1990 1595,1945 1595,1455 1530,1390 1215,1390 1170,1345 1170,545 1250,465 1300,465 2240,465 2300,525 2340,565 2390,565 2405,550 2405,505 2360,460 2360,420 2290,350 2220,350 2160,410 2155,415 1270,415 1185,415 1055,545 ; 2415,2060 2415,2120 2415,2150 2500,2235 2580,2315 2580,2450 2595,2465 2660,2465 2680,2445 2680,2280 2700,2260 3070,2260 3110,2300 3125,2300 3165,2300 3210,2255 3210,2235 3195,2220 3135,2160 2660,2160 2600,2160 2490,2050 2425,2050 2415,2060

## Silkscreen, mask and mechanical layers (free items; w line width, h text height)
Top Overlay:
  drawing of 1520 lines, arcs and shapes, not listed
  text "TRST" at 3975,2395 h25
  text "TDI" at 4085,2395 h25
  text "TMS" at 4185,2395 h25
  text "TCK" at 4285,2395 h25
  text "TCK" at 4385,2395 h25
  text "TDO" at 4485,2395 h25
  text "RST" at 4585,2395 h25
  text "3V3" at 3885,2370 h25
  text "RESET" at 4085,1765 h40
  text "GruntMaster 6001 Box / ver .ver" at 3360,150 h40
Mechanical 1:
  circle w5: c629.92,440.94 r118.11
  circle w5: c629.92,2409.45 r118.11
  circle w5: c5649.61,716.54 r118.11
  lines w7.87: 98.43,78.74 98.43,98.43 ; 98.43,2771.23 98.43,2751.97 ; 233.49,98.43 98.43,98.43 ; 233.49,98.61 cw(c511.81,0) 790.19,98.45 ; 233.49,2751.79 ccw(c511.81,2850.39) 790.19,2751.95 ; 233.49,2751.97 98.43,2751.97 ; 790.14,98.43 2701.57,98.43 2950,98.43 2950,730 2950,840 2950,2751.97 2701.57,2751.97 790.14,2751.97 ; 98.43,98.43 98.43,2751.97

## Dimensions
0,2850.39 to 5866.14,2850.39 on Mechanical 13
0,2850.39 to 0,0 on Mechanical 13

## Text inside footprints (layer, text, board x,y; h text height)
CON3: Top Overlay "2" at 3833.4,2650.47 h25; Top Overlay "1" at 3853.08,2550.47 h25; Top Overlay "20" at 4867.24,2650.47 h25; Top Overlay "19" at 4867.24,2550.47 h25